# Altium PCB Tag201_GangProgrammerRev1.PcbDoc (part 6 of 7)
Units mil, origin at the board's own origin, x right, y up, seen from the top; angles counter-clockwise.
Board outline 10400 x 10885 mil, 4 copper layers (Top Layer, VCC, GND, Bottom Layer), stack 67.2 mil thick; 874 components, 385 nets, 2980 pads, 650 vias.
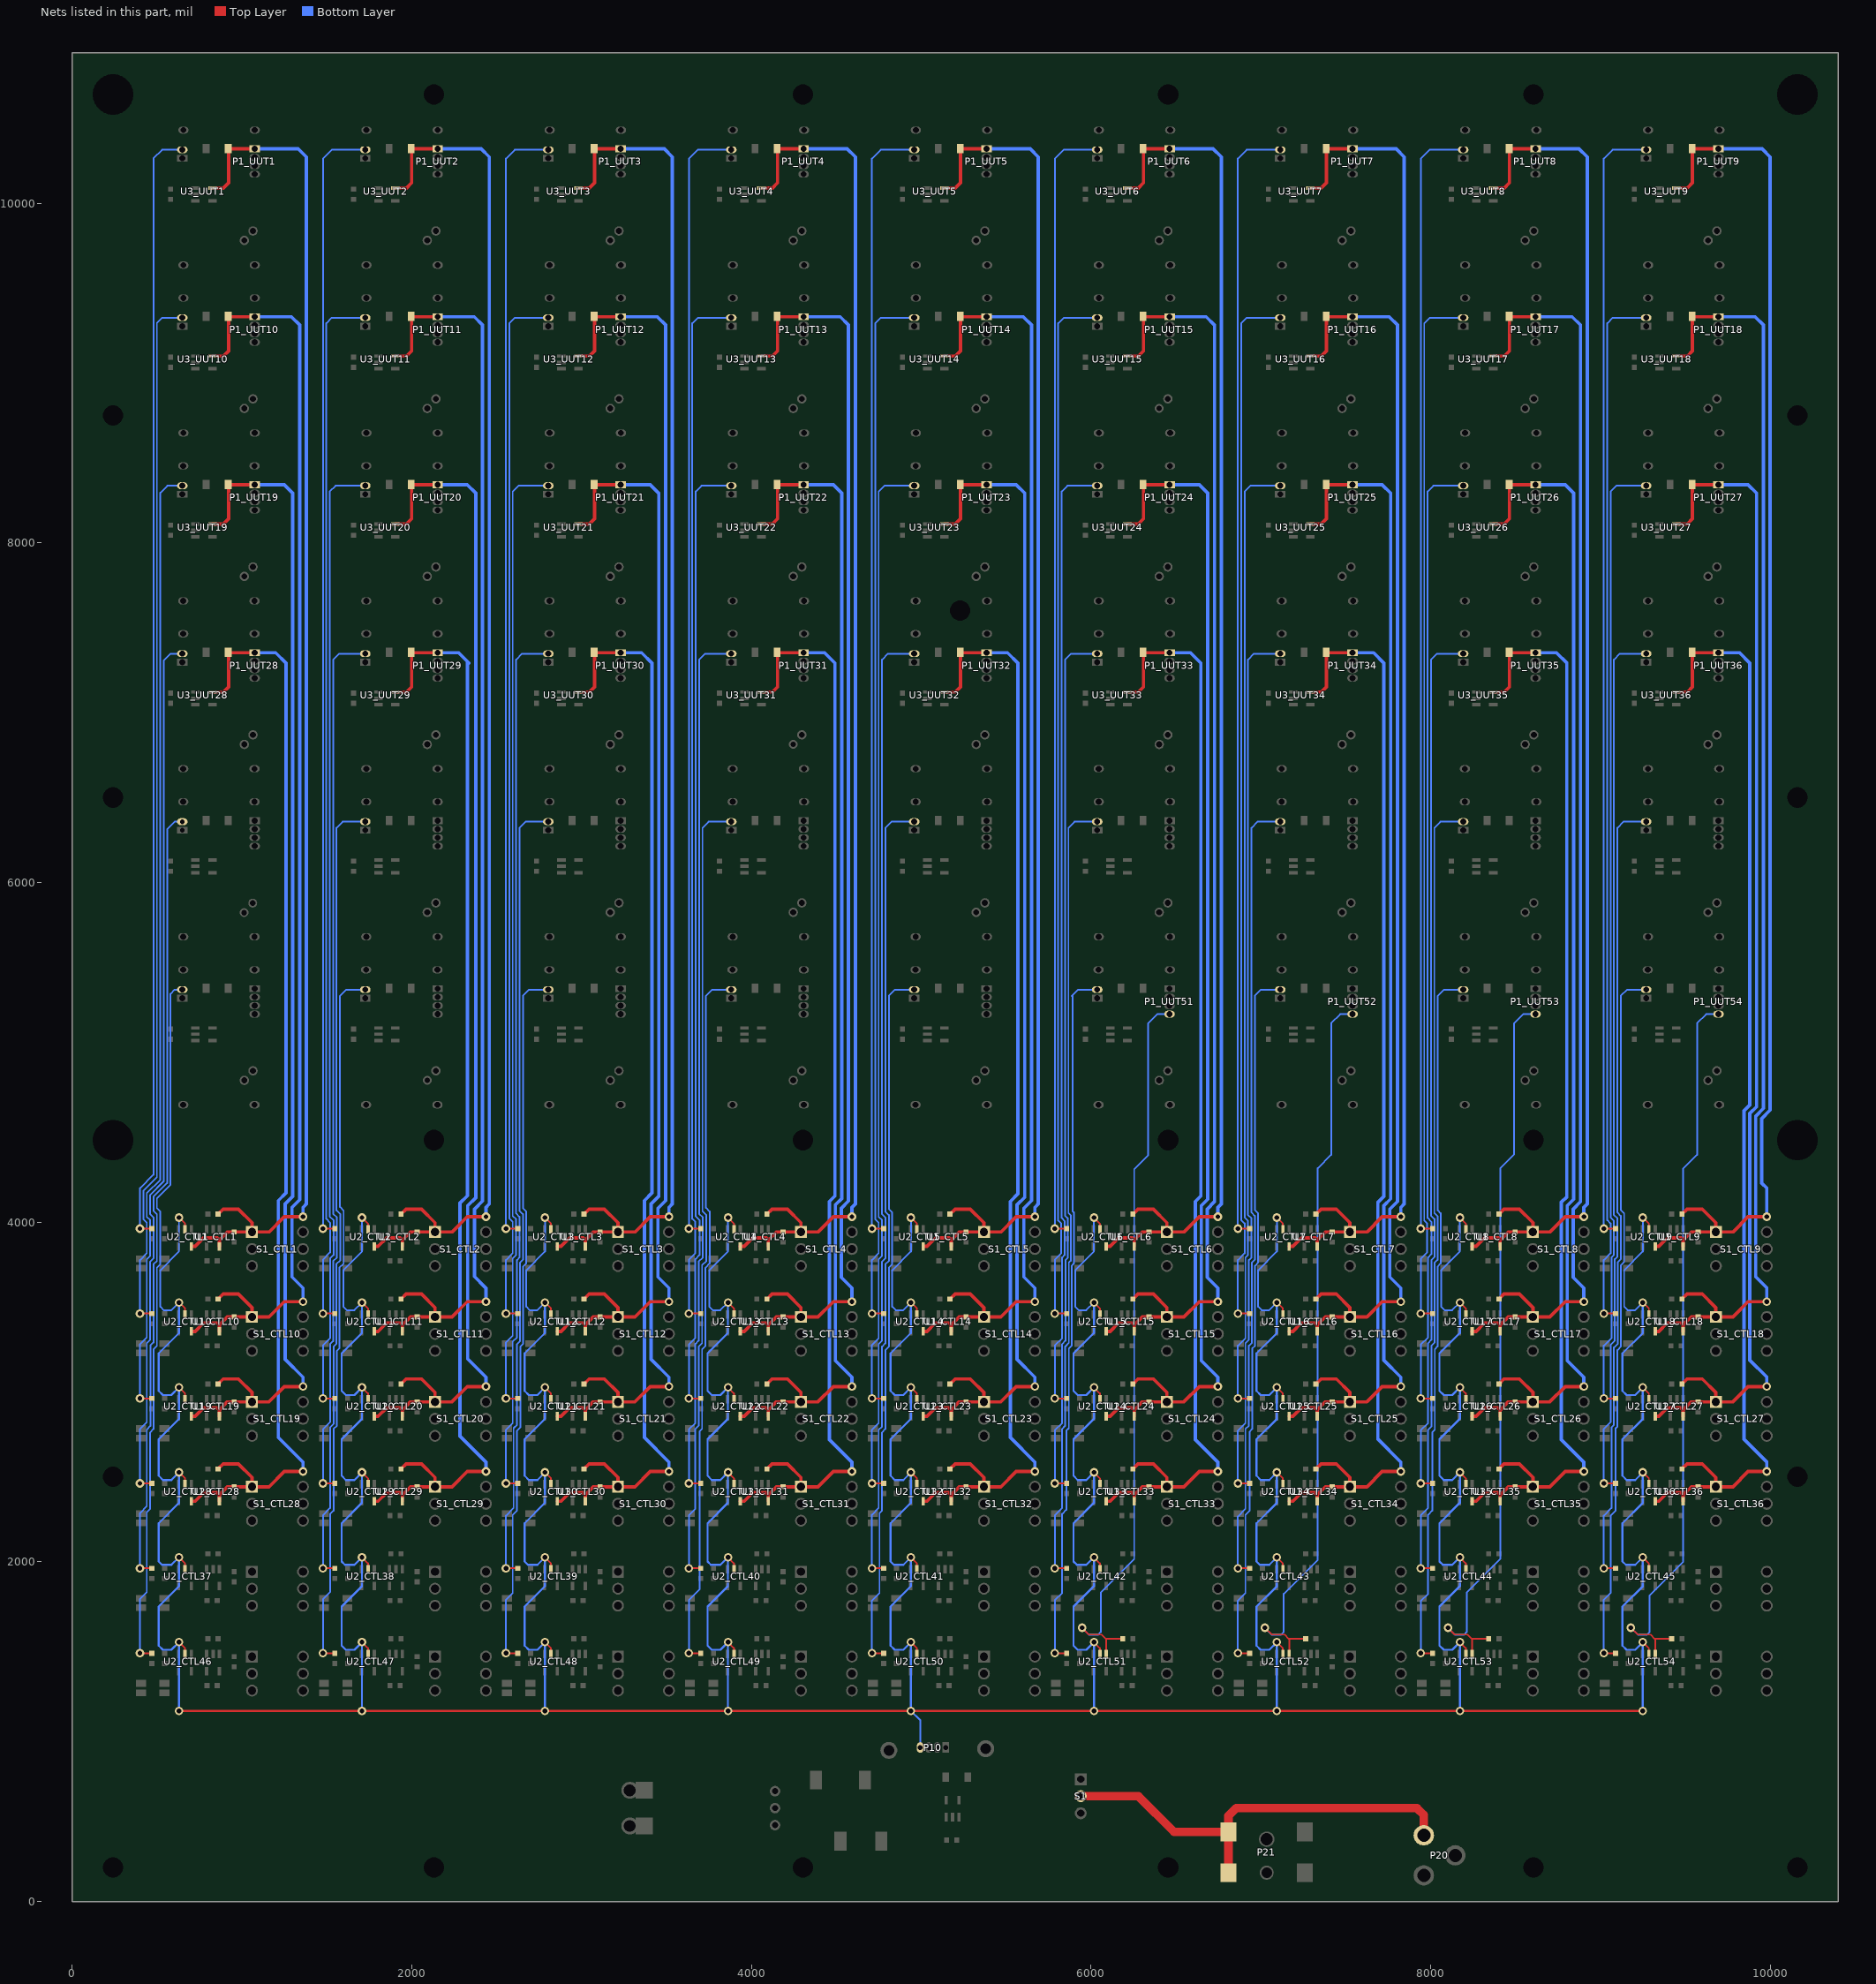
[diagram p8: the nets of this part, all layers, seen from the top]

## Via types
v1: diameter 50, hole 28, Top Layer to Bottom Layer, tented both sides, 650 vias

## Nets (pads, with @x,y where several pads share a name; then routed paths per layer and width w, separated by ;. In a path a pad name is that pad's centre, name@x,y a point inside that pad or via, vN(x,y) a via of type N, cw(c..) or ccw(c..) an arc to the next point about the centre after c; other vN are vias at no path point) (continued)
RESET51: P1_UUT51.4 R4_CTL51.2 U2_CTL51.1@6089,1457 | length 4340.8
  Top Layer w10: v1(5946.5,1612) 5986.5,1572 6061.5,1572 6086.5,1547 ; U2_CTL51.1@6089,1457 6089,1544.5 6086.5,1547 ; R4_CTL51.2@6186.5,1547 6086.5,1547
  Bottom Layer w10: v1(5946.5,1612) 5988.5,1570 6039.5,1570 6056.5,1587 6056.5,1819.5 6254,2017 6254,4312 6336.5,4394.5 6336.5,5172 6389.5,5225 P1_UUT51.4@6462,5225
RESET52: P1_UUT52.4 R4_CTL52.2 U2_CTL52.1@7166.5,1457 | length 4340.8
  Top Layer w10: v1(7024,1612) 7064,1572 7139,1572 7164,1547 ; U2_CTL52.1@7166.5,1457 7166.5,1544.5 7164,1547 ; R4_CTL52.2@7264,1547 7164,1547
  Bottom Layer w10: v1(7024,1612) 7066,1570 7117,1570 7134,1587 7134,1812 7334,2012 7334,4317 7414,4397 7414,5172 7467,5225 P1_UUT52.4@7539.5,5225
RESET53: P1_UUT53.4 R4_CTL53.2 U2_CTL53.1@8244,1457 | length 4340.8
  Top Layer w10: v1(8101.5,1612) 8141.5,1572 8216.5,1572 8241.5,1547 ; U2_CTL53.1@8244,1457 8244,1544.5 8241.5,1547 ; R4_CTL53.2@8341.5,1547 8241.5,1547
  Bottom Layer w10: v1(8101.5,1612) 8143.5,1570 8194.5,1570 8211.5,1587 8211.5,1819.5 8409,2017 8409,4317 8491.5,4399.5 8491.5,5172 8544.5,5225 P1_UUT53.4@8617,5225
RESET54: P1_UUT54.4 R4_CTL54.2 U2_CTL54.1@9321.5,1457 | length 4340.8
  Top Layer w10: v1(9179,1612) 9219,1572 9294,1572 9319,1547 ; U2_CTL54.1@9321.5,1457 9321.5,1544.5 9319,1547 ; R4_CTL54.2@9419,1547 9319,1547
  Bottom Layer w10: v1(9179,1612) 9221,1570 9272,1570 9289,1587 9289,1802 9485,1998 9485,4313 9569,4397 9569,5172 9622,5225 P1_UUT54.4@9694.5,5225
RESET_DRV: P10.4 U2_CTL1.2 U2_CTL2.2 U2_CTL3.2 U2_CTL4.2 U2_CTL5.2 U2_CTL6.2 U2_CTL7.2 U2_CTL8.2 U2_CTL9.2 U2_CTL10.2 U2_CTL11.2 U2_CTL12.2 U2_CTL13.2 U2_CTL14.2 U2_CTL15.2 U2_CTL16.2 U2_CTL17.2 U2_CTL18.2 U2_CTL19.2 U2_CTL20.2 U2_CTL21.2 U2_CTL22.2 U2_CTL23.2 U2_CTL24.2 U2_CTL25.2 U2_CTL26.2 U2_CTL27.2 U2_CTL28.2 U2_CTL29.2 U2_CTL30.2 U2_CTL31.2 U2_CTL32.2 U2_CTL33.2 U2_CTL34.2 U2_CTL35.2 U2_CTL36.2 U2_CTL37.2 U2_CTL38.2 U2_CTL39.2 U2_CTL40.2 U2_CTL41.2 U2_CTL42.2 U2_CTL43.2 U2_CTL44.2 U2_CTL45.2 U2_CTL46.2 U2_CTL47.2 U2_CTL48.2 U2_CTL49.2 U2_CTL50.2 U2_CTL51.2 U2_CTL52.2 U2_CTL53.2 U2_CTL54.2 | length 49529.7
  Top Layer w10: v1(629,1527) 664.5,1491.5 U2_CTL46.2@664.5,1457 ; v1@629,1532 v1@631.5,1529.5 ; v1(629,2027) 664.5,1991.5 U2_CTL37.2@664.5,1957 ; v1@629,2032 v1@631.5,2029.5 ; v1(629,2527) 664.5,2491.5 U2_CTL28.2@664.5,2457 ; v1@629,2532 v1@631.5,2529.5 ; v1(629,3027) 664.5,2991.5 U2_CTL19.2@664.5,2957 ; v1@629,3032 v1@631.5,3029.5 ; v1(629,3527) 664.5,3491.5 U2_CTL10.2@664.5,3457 ; v1@629,3532 v1@631.5,3529.5 ; v1(629,4027) 664.5,3991.5 U2_CTL1.2@664.5,3957 ; v1@629,4032 v1@631.5,4029.5 ; v1(1706.5,1527) 1742,1491.5 U2_CTL47.2@1742,1457 ; v1@1706.5,1532 v1@1709,1529.5 ; v1(1706.5,2027) 1742,1991.5 U2_CTL38.2@1742,1957 ; v1@1706.5,2032 v1@1709,2029.5 ; v1(1706.5,2527) 1742,2491.5 U2_CTL29.2@1742,2457 ; v1@1706.5,2532 v1@1709,2529.5 ; v1(1706.5,3027) 1742,2991.5 U2_CTL20.2@1742,2957 ; v1@1706.5,3032 v1@1709,3029.5 ; v1(1706.5,3527) 1742,3491.5 U2_CTL11.2@1742,3457 ; v1@1706.5,3532 v1@1709,3529.5 ; v1(1706.5,4027) 1742,3991.5 U2_CTL2.2@1742,3957 ; v1@1706.5,4032 v1@1709,4029.5 ; v1(2784,1527) 2819.5,1491.5 U2_CTL48.2@2819.5,1457 ; v1@2784,1532 v1@2786.5,1529.5 ; v1(2784,2027) 2819.5,1991.5 U2_CTL39.2@2819.5,1957 ; v1@2784,2032 v1@2786.5,2029.5 ; v1(2784,2527) 2819.5,2491.5 U2_CTL30.2@2819.5,2457 ; v1@2784,2532 v1@2786.5,2529.5 ; v1(2784,3027) 2819.5,2991.5 U2_CTL21.2@2819.5,2957 ; v1@2784,3032 v1@2786.5,3029.5 ; v1(2784,3527) 2819.5,3491.5 U2_CTL12.2@2819.5,3457 ; v1@2784,3532 v1@2786.5,3529.5 ; v1(2784,4027) 2819.5,3991.5 U2_CTL3.2@2819.5,3957 ; v1@2784,4032 v1@2786.5,4029.5 ; v1(3861.5,1527) 3897,1491.5 U2_CTL49.2@3897,1457 ; v1@3861.5,1532 v1@3864,1529.5 ; v1(3861.5,2027) 3897,1991.5 U2_CTL40.2@3897,1957 ; v1@3861.5,2032 v1@3864,2029.5 ; v1(3861.5,2527) 3897,2491.5 U2_CTL31.2@3897,2457 ; v1@3861.5,2532 v1@3864,2529.5 ; v1(3861.5,3027) 3897,2991.5 U2_CTL22.2@3897,2957 ; v1@3861.5,3032 v1@3864,3029.5 ; v1(3861.5,3527) 3897,3491.5 U2_CTL13.2@3897,3457 ; v1@3861.5,3532 v1@3864,3529.5 ; v1(3861.5,4027) 3897,3991.5 U2_CTL4.2@3897,3957 ; v1@3861.5,4032 v1@3864,4029.5 ; v1(4939,1527) 4974.5,1491.5 U2_CTL50.2@4974.5,1457 ; v1@4939,1532 v1@4941.5,1529.5 ; v1(4939,2027) 4974.5,1991.5 U2_CTL41.2@4974.5,1957 ; v1@4939,2032 v1@4941.5,2029.5 ; v1(4939,2527) 4974.5,2491.5 U2_CTL32.2@4974.5,2457 ; v1@4939,2532 v1@4941.5,2529.5 ; v1(4939,3027) 4974.5,2991.5 U2_CTL23.2@4974.5,2957 ; v1@4939,3032 v1@4941.5,3029.5 ; v1(4939,3527) 4974.5,3491.5 U2_CTL14.2@4974.5,3457 ; v1@4939,3532 v1@4941.5,3529.5 ; v1(4939,4027) 4974.5,3991.5 U2_CTL5.2@4974.5,3957 ; v1@4939,4032 v1@4941.5,4029.5 ; v1(6016.5,1527) 6052,1491.5 U2_CTL51.2@6052,1457 ; v1@6016.5,1532 v1@6019,1529.5 ; v1(6016.5,2027) 6052,1991.5 U2_CTL42.2@6052,1957 ; v1@6016.5,2032 v1@6019,2029.5 ; v1(6016.5,2527) 6052,2491.5 U2_CTL33.2@6052,2457 ; v1@6016.5,2532 v1@6019,2529.5 ; v1(6016.5,3027) 6052,2991.5 U2_CTL24.2@6052,2957 ; v1@6016.5,3032 v1@6019,3029.5 ; v1(6016.5,3527) 6052,3491.5 U2_CTL15.2@6052,3457 ; v1@6016.5,3532 v1@6019,3529.5 ; v1(6016.5,4027) 6052,3991.5 U2_CTL6.2@6052,3957 ; v1@6016.5,4032 v1@6019,4029.5 ; v1(7094,1527) 7129.5,1491.5 U2_CTL52.2@7129.5,1457 ; v1@7094,1532 v1@7096.5,1529.5 ; v1(7094,2027) 7129.5,1991.5 U2_CTL43.2@7129.5,1957 ; v1@7094,2032 v1@7096.5,2029.5 ; v1(7094,2527) 7129.5,2491.5 U2_CTL34.2@7129.5,2457 ; v1@7094,2532 v1@7096.5,2529.5 ; v1(7094,3027) 7129.5,2991.5 U2_CTL25.2@7129.5,2957 ; v1@7094,3032 v1@7096.5,3029.5 ; v1(7094,3527) 7129.5,3491.5 U2_CTL16.2@7129.5,3457 ; v1@7094,3532 v1@7096.5,3529.5 ; v1(7094,4027) 7129.5,3991.5 U2_CTL7.2@7129.5,3957 ; v1@7094,4032 v1@7096.5,4029.5 ; v1(8171.5,1527) 8207,1491.5 U2_CTL53.2@8207,1457 ; v1@8171.5,1532 v1@8174,1529.5 ; v1(8171.5,2027) 8207,1991.5 U2_CTL44.2@8207,1957 ; v1@8171.5,2032 v1@8174,2029.5 ; v1(8171.5,2527) 8207,2491.5 U2_CTL35.2@8207,2457 ; v1@8171.5,2532 v1@8174,2529.5 ; v1(8171.5,3027) 8207,2991.5 U2_CTL26.2@8207,2957 ; v1@8171.5,3032 v1@8174,3029.5 ; v1(8171.5,3527) 8207,3491.5 U2_CTL17.2@8207,3457 ; v1@8171.5,3532 v1@8174,3529.5 ; v1(8171.5,4027) 8207,3991.5 U2_CTL8.2@8207,3957 ; v1@8171.5,4032 v1@8174,4029.5 ; v1(9249,1527) 9284.5,1491.5 U2_CTL54.2@9284.5,1457 ; v1@9249,1532 v1@9251.5,1529.5 ; v1(9249,2027) 9284.5,1991.5 U2_CTL45.2@9284.5,1957 ; v1@9249,2032 v1@9251.5,2029.5 ; v1(9249,2527) 9284.5,2491.5 U2_CTL36.2@9284.5,2457 ; v1@9249,2532 v1@9251.5,2529.5 ; v1(9249,3027) 9284.5,2991.5 U2_CTL27.2@9284.5,2957 ; v1@9249,3032 v1@9251.5,3029.5 ; v1(9249,3527) 9284.5,3491.5 U2_CTL18.2@9284.5,3457 ; v1@9249,3532 v1@9251.5,3529.5 ; v1(9249,4027) 9284.5,3991.5 U2_CTL9.2@9284.5,3957 ; v1@9249,4032 v1@9251.5,4029.5
  Top Layer w12: v1@634,1122 v1(9249,1122)
  Bottom Layer w10: v1(629,3527) 584,3482 539,3482 519,3502 519,3717 629,3827 v1(629,4027) ; v1(1706.5,3527) 1661.5,3482 1616.5,3482 1596.5,3502 1596.5,3717 1706.5,3827 v1(1706.5,4027) ; v1(2784,3527) 2739,3482 2694,3482 2674,3502 2674,3717 2784,3827 v1(2784,4027) ; v1(3861.5,3527) 3816.5,3482 3771.5,3482 3751.5,3502 3751.5,3717 3861.5,3827 v1(3861.5,4027) ; v1(4939,3527) 4894,3482 4849,3482 4829,3502 4829,3717 4939,3827 v1(4939,4027) ; v1(6016.5,3527) 5971.5,3482 5926.5,3482 5906.5,3502 5906.5,3717 6016.5,3827 v1(6016.5,4027) ; v1(7094,3527) 7049,3482 7004,3482 6984,3502 6984,3717 7094,3827 v1(7094,4027) ; v1(8171.5,3527) 8126.5,3482 8081.5,3482 8061.5,3502 8061.5,3717 8171.5,3827 v1(8171.5,4027) ; v1(9249,3527) 9204,3482 9159,3482 9139,3502 9139,3717 9249,3827 v1(9249,4027)
  Bottom Layer w12: v1(629,1122) v1(629,1527) 584,1482 534,1482 509,1507 509,1737 629,1857 v1(629,2027) 584,1982 529,1982 509,2002 509,2227 629,2347 v1(629,2527) 584,2482 534,2482 509,2507 509,2722 629,2842 v1(629,3027) 584,2982 534,2982 509,3007 509,3227 629,3347 v1(629,3527) ; v1(1706.5,1122) v1(1706.5,1527) 1661.5,1482 1611.5,1482 1586.5,1507 1586.5,1737 1706.5,1857 v1(1706.5,2027) 1661.5,1982 1606.5,1982 1586.5,2002 1586.5,2227 1706.5,2347 v1(1706.5,2527) 1661.5,2482 1611.5,2482 1586.5,2507 1586.5,2722 1706.5,2842 v1(1706.5,3027) 1661.5,2982 1611.5,2982 1586.5,3007 1586.5,3227 1706.5,3347 v1(1706.5,3527) ; v1(2784,1122) v1(2784,1527) 2739,1482 2689,1482 2664,1507 2664,1737 2784,1857 v1(2784,2027) 2739,1982 2684,1982 2664,2002 2664,2227 2784,2347 v1(2784,2527) 2739,2482 2689,2482 2664,2507 2664,2722 2784,2842 v1(2784,3027) 2739,2982 2689,2982 2664,3007 2664,3227 2784,3347 v1(2784,3527) ; v1(3861.5,1122) v1(3861.5,1527) 3816.5,1482 3766.5,1482 3741.5,1507 3741.5,1737 3861.5,1857 v1(3861.5,2027) 3816.5,1982 3761.5,1982 3741.5,2002 3741.5,2227 3861.5,2347 v1(3861.5,2527) 3816.5,2482 3766.5,2482 3741.5,2507 3741.5,2722 3861.5,2842 v1(3861.5,3027) 3816.5,2982 3766.5,2982 3741.5,3007 3741.5,3227 3861.5,3347 v1(3861.5,3527) ; v1(4939,3527) 4939,3347 4819,3227 4819,3007 4844,2982 4894,2982 v1(4939,3027) 4939,2842 4819,2722 4819,2507 4844,2482 4894,2482 v1(4939,2527) 4939,2347 4819,2227 4819,2002 4839,1982 4894,1982 v1(4939,2027) 4939,1857 4819,1737 4819,1507 4844,1482 4894,1482 v1(4939,1527) v1(4939,1122) 4994,1067 P10.4@4994,907 ; v1(6016.5,1122) v1(6016.5,1527) 5971.5,1482 5921.5,1482 5896.5,1507 5896.5,1737 6016.5,1857 v1(6016.5,2027) 5971.5,1982 5916.5,1982 5896.5,2002 5896.5,2227 6016.5,2347 v1(6016.5,2527) 5971.5,2482 5921.5,2482 5896.5,2507 5896.5,2722 6016.5,2842 v1(6016.5,3027) 5971.5,2982 5921.5,2982 5896.5,3007 5896.5,3227 6016.5,3347 v1(6016.5,3527) ; v1(7094,1122) v1(7094,1527) 7049,1482 6999,1482 6974,1507 6974,1737 7094,1857 v1(7094,2027) 7049,1982 6994,1982 6974,2002 6974,2227 7094,2347 v1(7094,2527) 7049,2482 6999,2482 6974,2507 6974,2722 7094,2842 v1(7094,3027) 7049,2982 6999,2982 6974,3007 6974,3227 7094,3347 v1(7094,3527) ; v1(8171.5,1122) v1(8171.5,1527) 8126.5,1482 8076.5,1482 8051.5,1507 8051.5,1737 8171.5,1857 v1(8171.5,2027) 8126.5,1982 8071.5,1982 8051.5,2002 8051.5,2227 8171.5,2347 v1(8171.5,2527) 8126.5,2482 8076.5,2482 8051.5,2507 8051.5,2722 8171.5,2842 v1(8171.5,3027) 8126.5,2982 8076.5,2982 8051.5,3007 8051.5,3227 8171.5,3347 v1(8171.5,3527) ; v1(9249,1122) v1(9249,1527) 9204,1482 9154,1482 9129,1507 9129,1737 9249,1857 v1(9249,2027) 9204,1982 9149,1982 9129,2002 9129,2227 9249,2347 v1(9249,2527) 9204,2482 9154,2482 9129,2507 9129,2722 9249,2842 v1(9249,3027) 9204,2982 9154,2982 9129,3007 9129,3227 9249,3347 v1(9249,3527)
TEST1: P2_UUT1.2 R1_CTL1.2 | length 6595.3
  Top Layer w10: v1(399,3962) R1_CTL1.2@469,3962
  Bottom Layer w10: v1(399,3962) 399,4200 479,4280 479,10264 529,10314 P2_UUT1.2@648.5,10314
TEST2: P2_UUT2.2 R1_CTL2.2 | length 6641
  Top Layer w10: v1(1476.5,3962) R1_CTL2.2@1546.5,3962
  Bottom Layer w10: v1(1476.5,3962) 1476.5,10262 1528.5,10314 P2_UUT2.2@1726,10314
TEST3: P2_UUT3.2 R1_CTL3.2 | length 6641
  Top Layer w10: v1(2554,3962) R1_CTL3.2@2624,3962
  Bottom Layer w10: v1(2554,3962) 2554,10262 2606,10314 P2_UUT3.2@2803.5,10314
TEST4: P2_UUT4.2 R1_CTL4.2 | length 6641
  Top Layer w10: v1(3631.5,3962) R1_CTL4.2@3701.5,3962
  Bottom Layer w10: v1(3631.5,3962) 3631.5,10262 3683.5,10314 P2_UUT4.2@3881,10314
TEST5: P2_UUT5.2 R1_CTL5.2 | length 6641
  Top Layer w10: v1(4709,3962) R1_CTL5.2@4779,3962
  Bottom Layer w10: v1(4709,3962) 4709,10262 4761,10314 P2_UUT5.2@4958.5,10314
TEST6: P2_UUT6.2 R1_CTL6.2 | length 6641
  Top Layer w10: v1(5786.5,3962) R1_CTL6.2@5856.5,3962
  Bottom Layer w10: v1(5786.5,3962) 5786.5,10262 5838.5,10314 P2_UUT6.2@6036,10314
TEST7: P2_UUT7.2 R1_CTL7.2 | length 6641
  Top Layer w10: v1(6864,3962) R1_CTL7.2@6934,3962
  Bottom Layer w10: v1(6864,3962) 6864,10262 6916,10314 P2_UUT7.2@7113.5,10314
TEST8: P2_UUT8.2 R1_CTL8.2 | length 6641
  Top Layer w10: v1(7941.5,3962) R1_CTL8.2@8011.5,3962
  Bottom Layer w10: v1(7941.5,3962) 7941.5,10262 7993.5,10314 P2_UUT8.2@8191,10314
TEST9: P2_UUT9.2 R1_CTL9.2 | length 6641
  Top Layer w10: v1(9019,3962) R1_CTL9.2@9089,3962
  Bottom Layer w10: v1(9019,3962) 9019,10262 9071,10314 P2_UUT9.2@9268.5,10314
TEST10: P2_UUT10.2 R1_CTL10.2 | length 6122.9
  Top Layer w10: v1(399,3462) R1_CTL10.2@469,3462
  Bottom Layer w10: v1(399,3462) 399,3777 439,3817 439,3997 419,4017 419,4185 499,4265 499,9295 529,9325 P2_UUT10.2@648.5,9325
TEST11: P2_UUT11.2 R1_CTL11.2 | length 6170.1
  Top Layer w10: v1(1476.5,3462) R1_CTL11.2@1546.5,3462
  Bottom Layer w10: v1(1476.5,3462) 1476.5,3779.5 1519,3822 1519,3997 1496.5,4019.5 1496.5,9292 1529.5,9325 P2_UUT11.2@1726,9325
TEST12: P2_UUT12.2 R1_CTL12.2 | length 6168
  Top Layer w10: v1(2554,3462) R1_CTL12.2@2624,3462
  Bottom Layer w10: v1(2554,3462) 2554,3777 2594,3817 2594,4002 2574,4022 2574,9292 2607,9325 P2_UUT12.2@2803.5,9325
TEST13: P2_UUT13.2 R1_CTL13.2 | length 6166.4
  Top Layer w10: v1(3631.5,3462) R1_CTL13.2@3701.5,3462
  Bottom Layer w10: v1(3631.5,3462) 3631.5,3779.5 3669.5,3817.5 3669.5,4001.5 3651.5,4019.5 3651.5,9292 3684.5,9325 P2_UUT13.2@3881,9325
TEST14: P2_UUT14.2 R1_CTL14.2 | length 6168
  Top Layer w10: v1(4709,3462) R1_CTL14.2@4779,3462
  Bottom Layer w10: v1(4709,3462) 4709,3777 4749,3817 4749,3997 4729,4017 4729,9292 4762,9325 P2_UUT14.2@4958.5,9325
TEST15: P2_UUT15.2 R1_CTL15.2 | length 6166.4
  Top Layer w10: v1(5786.5,3462) R1_CTL15.2@5856.5,3462
  Bottom Layer w10: v1(5786.5,3462) 5786.5,3779.5 5824.5,3817.5 5824.5,3991.5 5806.5,4009.5 5806.5,9292 5839.5,9325 P2_UUT15.2@6036,9325
TEST16: P2_UUT16.2 R1_CTL16.2 | length 6168
  Top Layer w10: v1(6864,3462) R1_CTL16.2@6934,3462
  Bottom Layer w10: v1(6864,3462) 6864,3777 6904,3817 6904,3992 6884,4012 6884,9292 6917,9325 P2_UUT16.2@7113.5,9325
TEST17: P2_UUT17.2 R1_CTL17.2 | length 6166.4
  Top Layer w10: v1(7941.5,3462) R1_CTL17.2@8011.5,3462
  Bottom Layer w10: v1(7941.5,3462) 7941.5,3784.5 7979.5,3822.5 7979.5,3991.5 7961.5,4009.5 7961.5,9292 7994.5,9325 P2_UUT17.2@8191,9325
TEST18: P2_UUT18.2 R1_CTL18.2 | length 6168
  Top Layer w10: v1(9019,3462) R1_CTL18.2@9089,3462
  Bottom Layer w10: v1(9019,3462) 9019,3777 9059,3817 9059,3992 9039,4012 9039,9292 9072,9325 P2_UUT18.2@9268.5,9325
TEST19: P2_UUT19.2 R1_CTL19.2 | length 5615.3
  Top Layer w10: v1(399,2962) R1_CTL19.2@469,2962
  Bottom Layer w10: v1(399,2962) 399,3282 439,3322 439,3782 459,3802 459,4012 439,4032 439,4170 519,4250 519,8294.25 560.75,8336 P2_UUT19.2@648.5,8336
TEST20: P2_UUT20.2 R1_CTL20.2 | length 5668.8
  Top Layer w10: v1(1476.5,2962) R1_CTL20.2@1546.5,2962
  Bottom Layer w10: v1(1476.5,2962) 1476.5,3274.5 1519,3317 1519,3787 1539,3807 1539,4012 1516.5,4034.5 1516.5,8302 1550.5,8336 P2_UUT20.2@1726,8336
TEST21: P2_UUT21.2 R1_CTL21.2 | length 5666.7
  Top Layer w10: v1(2554,2962) R1_CTL21.2@2624,2962
  Bottom Layer w10: v1(2554,2962) 2554,3292 2594,3332 2594,3787 2614,3807 2614,4017 2594,4037 2594,8302 2628,8336 P2_UUT21.2@2803.5,8336
TEST22: P2_UUT22.2 R1_CTL22.2 | length 5669.2
  Top Layer w10: v1(3631.5,2962) R1_CTL22.2@3701.5,2962
  Bottom Layer w10: v1(3631.5,2962) 3631.5,3279.5 3669.5,3317.5 3669.5,3367.74 3669,3368.24 3669,3445.26 3669.5,3445.76 3669.5,3782.5 3694,3807 3694,4012 3671.5,4034.5 3671.5,8302 3705.5,8336 P2_UUT22.2@3881,8336
TEST23: P2_UUT23.2 R1_CTL23.2 | length 5666.7
  Top Layer w10: v1(4709,2962) R1_CTL23.2@4779,2962
  Bottom Layer w10: v1(4709,2962) 4709,3277 4749,3317 4749,3782 4769,3802 4769,4012 4749,4032 4749,8302 4783,8336 P2_UUT23.2@4958.5,8336
TEST24: P2_UUT24.2 R1_CTL24.2 | length 5664.6
  Top Layer w10: v1(5786.5,2962) R1_CTL24.2@5856.5,2962
  Bottom Layer w10: v1(5786.5,2962) 5786.5,3274.5 5829,3317 5829,3792 5844,3807 5844,4007 5826.5,4024.5 5826.5,8302 5860.5,8336 P2_UUT24.2@6036,8336
TEST25: P2_UUT25.2 R1_CTL25.2 | length 5666.7
  Top Layer w10: v1(6864,2962) R1_CTL25.2@6934,2962
  Bottom Layer w10: v1(6864,2962) 6864,3272 6909,3317 6909,3792 6924,3807 6924,4007 6904,4027 6904,8302 6938,8336 P2_UUT25.2@7113.5,8336
TEST26: P2_UUT26.2 R1_CTL26.2 | length 5668.8
  Top Layer w10: v1(7941.5,2962) R1_CTL26.2@8011.5,2962
  Bottom Layer w10: v1(7941.5,2962) 7941.5,3279.5 7984,3322 7984,3792 8004,3812 8004,4002 7981.5,4024.5 7981.5,8302 8015.5,8336 P2_UUT26.2@8191,8336
TEST27: P2_UUT27.2 R1_CTL27.2 | length 5666.7
  Top Layer w10: v1(9019,2962) R1_CTL27.2@9089,2962
  Bottom Layer w10: v1(9019,2962) 9019,3272 9064,3317 9064,3792 9079,3807 9079,4007 9059,4027 9059,8302 9093,8336 P2_UUT27.2@9268.5,8336
TEST28: P2_UUT28.2 R1_CTL28.2 | length 5115.6
  Top Layer w10: v1(399,2462) R1_CTL28.2@469,2462
  Bottom Layer w10: v1(399,2462) 399,2782 439,2822 439,3287 459,3307 459,3767 479,3787 479,4027 459,4047 459,4160 539,4240 539,7307 579,7347 P2_UUT28.2@648.5,7347
TEST29: P2_UUT29.2 R1_CTL29.2 | length 5167.5
  Top Layer w10: v1(1476.5,2462) R1_CTL29.2@1546.5,2462
  Bottom Layer w10: v1(1476.5,2462) 1476.5,2779.5 1519,2822 1519,3282 1537,3300 1537,3770 1559,3792 1559,4027 1536.5,4049.5 1536.5,7312 1571.5,7347 P2_UUT29.2@1726,7347
TEST30: P2_UUT30.2 R1_CTL30.2 | length 5165.4
  Top Layer w10: v1(2554,2462) R1_CTL30.2@2624,2462
  Bottom Layer w10: v1(2554,2462) 2554,2777 2594,2817 2594,3297 2619,3322 2619,3777 2634,3792 2634,4032 2614,4052 2614,7312 2649,7347 P2_UUT30.2@2803.5,7347
TEST31: P2_UUT31.2 R1_CTL31.2 | length 5167.5
  Top Layer w10: v1(3631.5,2462) R1_CTL31.2@3701.5,2462
  Bottom Layer w10: v1(3631.5,2462) 3631.5,2779.5 3669.5,2817.5 3669.5,3282.5 3689,3302 3689,3767 3714,3792 3714,4027 3691.5,4049.5 3691.5,7312 3726.5,7347 P2_UUT31.2@3881,7347
TEST32: P2_UUT32.2 R1_CTL32.2 | length 5165.4
  Top Layer w10: v1(4709,2462) R1_CTL32.2@4779,2462
  Bottom Layer w10: v1(4709,2462) 4709,2777 4749,2817 4749,3282 4769,3302 4769,3767 4789,3787 4789,4027 4769,4047 4769,7312 4804,7347 P2_UUT32.2@4958.5,7347
TEST33: P2_UUT33.2 R1_CTL33.2 | length 5161.7
  Top Layer w10: v1(5786.5,2462) R1_CTL33.2@5856.5,2462
  Bottom Layer w10: v1(5786.5,2462) 5786.5,2774.5 5829,2817 5829,3282 5849,3302 5849,3777 5862,3790 5862,4024 5846.5,4039.5 5846.5,7312 5881.5,7347 P2_UUT33.2@6036,7347
TEST34: P2_UUT34.2 R1_CTL34.2 | length 5165.4
  Top Layer w10: v1(6864,2462) R1_CTL34.2@6934,2462
  Bottom Layer w10: v1(6864,2462) 6864,2772 6909,2817 6909,3287 6929,3307 6929,3777 6944,3792 6944,4022 6924,4042 6924,7312 6959,7347 P2_UUT34.2@7113.5,7347
TEST35: P2_UUT35.2 R1_CTL35.2 | length 5165.8
  Top Layer w10: v1(7941.5,2462) R1_CTL35.2@8011.5,2462
  Bottom Layer w10: v1(7941.5,2462) 7941.5,2774.5 7984,2817 7984,3287 8004,3307 8004,3777 8022,3795 8022,4019 8001.5,4039.5 8001.5,7312 8036.5,7347 P2_UUT35.2@8191,7347
TEST36: P2_UUT36.2 R1_CTL36.2 | length 5165.4
  Top Layer w10: v1(9019,2462) R1_CTL36.2@9089,2462
  Bottom Layer w10: v1(9019,2462) 9019,2782 9059,2822 9059,3277 9084,3302 9084,3782 9099,3797 9099,4022 9079,4042 9079,7312 9114,7347 P2_UUT36.2@9268.5,7347
TEST37: P2_UUT37.2 R1_CTL37.2 | length 4612
  Top Layer w10: v1(399,1962) R1_CTL37.2@469,1962
  Bottom Layer w10: v1(399,1962) 399,2287 439,2327 439,2778 461,2800 461,3274 479,3292 479,3752 499,3772 499,4047 479,4067 479,4150 559,4230 559,6313 604,6358 P2_UUT37.2@648.5,6358
TEST38: P2_UUT38.2 R1_CTL38.2 | length 4666.2
  Top Layer w10: v1(1476.5,1962) R1_CTL38.2@1546.5,1962
  Bottom Layer w10: v1(1476.5,1962) 1476.5,2274.5 1519,2317 1519,2792 1539,2812 1539,3267 1555,3283 1555,3753 1579,3777 1579,4047 1556.5,4069.5 1556.5,6322 1592.5,6358 P2_UUT38.2@1726,6358
TEST39: P2_UUT39.2 R1_CTL39.2 | length 4664.1
  Top Layer w10: v1(2554,1962) R1_CTL39.2@2624,1962
  Bottom Layer w10: v1(2554,1962) 2554,2272 2599,2317 2599,2787 2619,2807 2619,3282 2637,3300 2637,3762 2654,3779 2654,4047 2634,4067 2634,6322 2670,6358 P2_UUT39.2@2803.5,6358
TEST40: P2_UUT40.2 R1_CTL40.2 | length 4666.2
  Top Layer w10: v1(3631.5,1962) R1_CTL40.2@3701.5,1962
  Bottom Layer w10: v1(3631.5,1962) 3631.5,2274.5 3669.5,2312.5 3669.5,2782.5 3689,2802 3689,3267 3709,3287 3709,3747 3734,3772 3734,4042 3711.5,4064.5 3711.5,6322 3747.5,6358 P2_UUT40.2@3881,6358
TEST41: P2_UUT41.2 R1_CTL41.2 | length 4664.1
  Top Layer w10: v1(4709,1962) R1_CTL41.2@4779,1962